# Altium PCB BB.PcbDoc (part 3 of 9)
Units mil, origin at the board's own origin, x right, y up, seen from the top; angles counter-clockwise.
Board outline 6860 x 3500 mil, 6 copper layers (Component Side, Ground Plane (GND), Inner Layer 1, Inner Layer 2, Power Plane (VCC), Solder Side), stack 51.068 mil thick; 496 components, 500 nets, 2194 pads, 1226 vias.
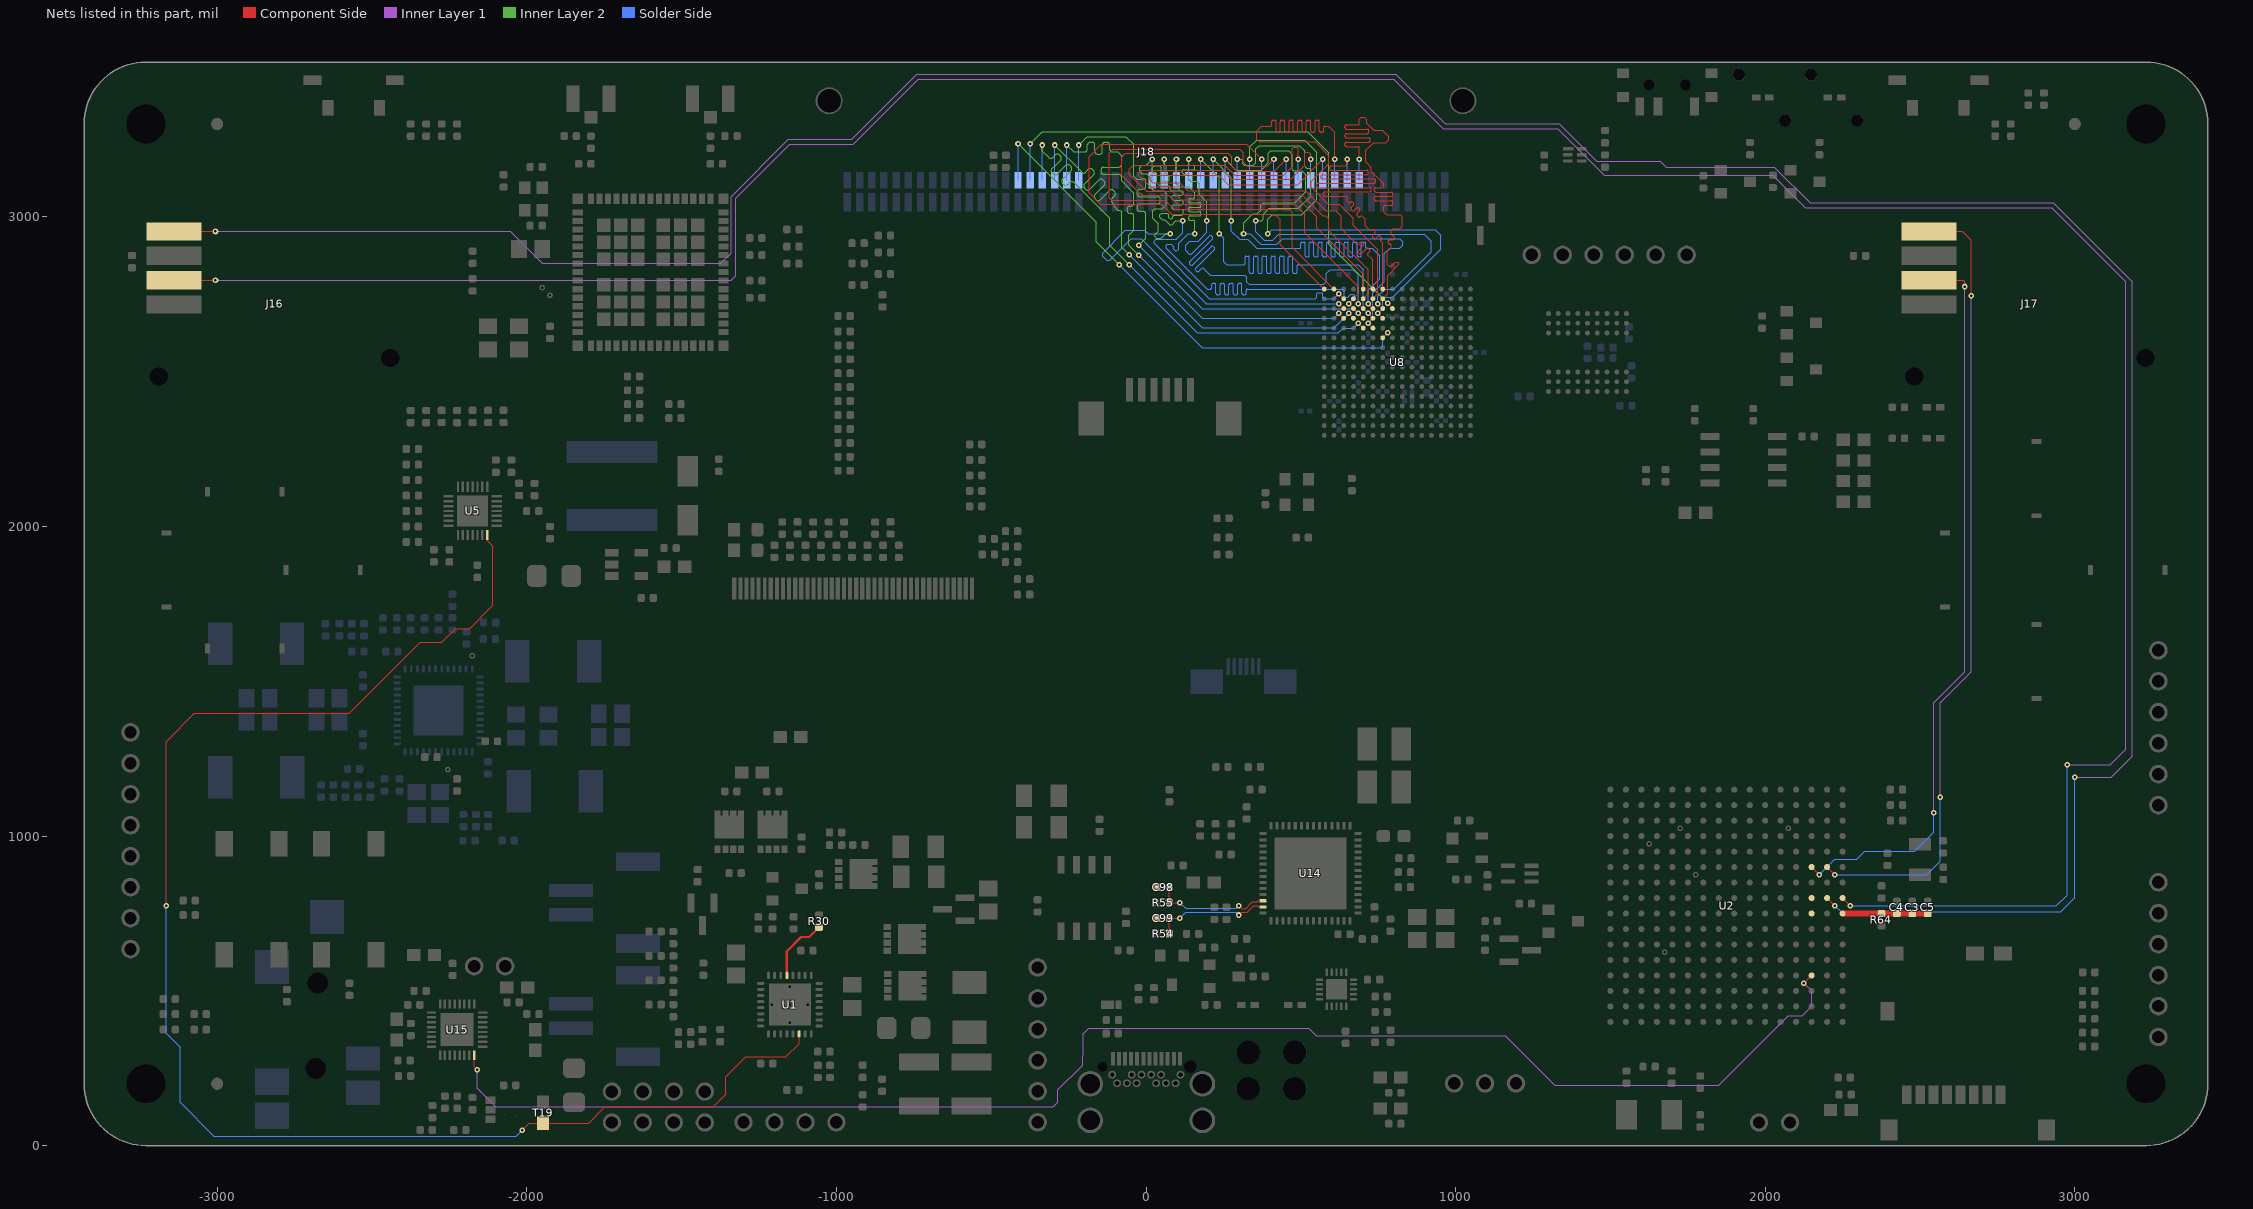
[diagram p7: the nets of this part, all layers, seen from the top]

## Part data (continued)
R6 R7 R8 R9 R10 R11 R12 R13 R14 R15 R16 R44 R52 R54 R55 R148 R200: "RES SMD 100K OHM 1% 1/16W 0402", Case=0402, Manufacturer=Yageo, Manufacturer Part Number=RC0402FR-07100KL, Operating Temperature="-55°C ~ 155°C", Package / Case="0402 (1005 Metric)", Power (Watts)=1/16W, Resistance (Ohms)=100k, Resistance In Ohms=100K, Supplier Part Number 1=311-100KLRCT-ND, Temperature Coefficient=±100ppm/°C, Tolerance=±1%, Category=Resistors, ComponentLink1Description=http://www.yageo.com/NewPortal/yageodocoutput?fileName=/pdf/R-Chip/PYu-RC_Group_51_RoHS_L_3.pdf, ComponentLink1URL=http://www.yageo.com/NewPortal/yageodocoutput?fileName=/pdf/R-Chip/PYu-RC_Group_51_RoHS_L_3.pdf, Composition="Thick Film", Features="Moisture Resistant", Height="0.016\" (0.40mm)", Number of Terminations=2, Packaging="Cut Tape (CT)", Pricing 1="1=0.1, 10=0.013, 25=0.0096, 100=0.0054, 250=0.00412, 500=0.00328, 1000=0.00242, 2500=0.0021, 5000=0.00173 (USD)", RoHS="RoHS Compliant", Size / Dimension="0.039\" L x 0.020\" W (1.00mm x 0.50mm)", Stock 1=4989982, Supplier 1=Digi-Key, Supplier Device Package=0402
R17: "RES SMD 39K OHM 1% 1/10W 0402", Case=0402, Manufacturer="Panasonic Electronic Components", Manufacturer Part Number=ERJ-2RKF3902X, Operating Temperature="-55°C ~ 155°C", Package / Case="0402 (1005 Metric)", Power (Watts)=1/16W, Resistance (Ohms)=39k, Resistance In Ohms=39K, Supplier Part Number 1=P39.0KLCT-ND, Temperature Coefficient=±100ppm/°C, Tolerance=±1%, Category=Resistors, ComponentLink1Description=http://industrial.panasonic.com/www-cgi/jvcr13pz.cgi?E+PZ+3+AOA0002+ERJ2RKF3902X+7+WW, ComponentLink1URL=http://industrial.panasonic.com/www-cgi/jvcr13pz.cgi?E+PZ+3+AOA0002+ERJ2RKF3902X+7+WW, Composition="Thick Film", Features="Automotive AEC-Q200", Height="0.016\" (0.40mm)", Number of Terminations=2, Packaging="Cut Tape (CT)", Pricing 1="1=0.1, 50=0.0196, 100=0.0149, 250=0.01104, 500=0.00816, 1000=0.00544, 5000=0.00383 (USD)", RoHS="RoHS Compliant", Size / Dimension="0.039\" L x 0.020\" W (1.00mm x 0.50mm)", Stock 1=304822, Supplier 1=Digi-Key, Supplier Device Package=0402
R18 R19 R26: "RES SMD 10M OHM 1% 1/16W 0402", Case=0402, Manufacturer=Yageo, Manufacturer Part Number=RC0402FR-0710ML, Operating Temperature="-55°C ~ 155°C", Package / Case="0402 (1005 Metric)", Power (Watts)=1/16W, Resistance (Ohms)=10M, Supplier Part Number 1=311-10.0MLRCT-ND, Temperature Coefficient=±100ppm/°C, Tolerance=±1%, Category=Resistors, ComponentLink1Description=http://www.yageo.com/NewPortal/yageodocoutput?fileName=/pdf/R-Chip/PYu-RC_Group_51_RoHS_L_4.pdf, ComponentLink1URL=http://www.yageo.com/NewPortal/yageodocoutput?fileName=/pdf/R-Chip/PYu-RC_Group_51_RoHS_L_4.pdf, Composition="Thick Film", Failure Rate=-, Features="Moisture Resistant", Height - Seated (Max)="0.016\" (0.40mm)", Number of Terminations=2, Packaging="Cut Tape (CT)", Part Status=Active, Pricing 1="1=0.1, 10=0.015, 25=0.0108, 100=0.006, 250=0.00456, 500=0.00364, 1000=0.00268, 2500=0.00233, 5000=0.00192 (USD)", Resistance In Ohms=10M, RoHS="RoHS Compliant", Size / Dimension="0.039\" L x 0.020\" W (1.00mm x 0.50mm)", Stock 1=285948, Supplier 1=Digi-Key, Supplier Device Package=0402
R20: "RES 10.0 OHM 1/16W 1% 0402 SMD", Case=0402, Manufacturer=Yageo, Manufacturer Part Number=RC0402FR-0710RL, Operating Temperature="-55°C ~ 155°C", Package / Case="0402 (1005 Metric)", Power (Watts)=1/16W, Resistance In Ohms=10.0, Supplier Part Number 1=311-10.0LRCT-ND, Temperature Coefficient=±200ppm/°C, Tolerance=±1%, Category=Resistors, ComponentLink1Description=http://www.yageo.com/documents/recent/PYu-RC_Group_51_RoHS_L_7.pdf, ComponentLink1URL=http://www.yageo.com/documents/recent/PYu-RC_Group_51_RoHS_L_7.pdf, Composition="Thick Film", Failure Rate=-, Features="Moisture Resistant", Height - Seated (Max)="0.016\" (0.40mm)", Packaging="Cut Tape (CT)", Part Status=Active, Pricing 1="1=0.1, 10=0.014, 100=0.0056, 1000=0.00253, 2500=0.0022, 5000=0.00181 (USD)", RoHS="RoHS Compliant", Size / Dimension="0.039\" L x 0.020\" W (1.00mm x 0.50mm)", Stock 1=1266033, Supplier 1=Digi-Key, Supplier Device Package=0402
R21 R25 R29 R31 R38 R39: "RES 100 OHM 1/16W 1% 0402 SMD", Case=0402, Manufacturer=Yageo, Manufacturer Part Number=RC0402FR-07100RL, Operating Temperature="-55°C ~ 155°C", Package / Case="0402 (1005 Metric)", Power (Watts)=1/16W, Resistance (Ohms)=100, Supplier Part Number 1=311-100LRCT-ND, Temperature Coefficient=±100ppm/°C, Tolerance=±1%, Category=Resistors, ComponentLink1Description=http://www.yageo.com/documents/recent/PYu-RC_Group_51_RoHS_L_2.pdf, ComponentLink1URL=http://www.yageo.com/documents/recent/PYu-RC_Group_51_RoHS_L_2.pdf, Composition="Thick Film", Features="Moisture Resistant", Height="0.016\" (0.40mm)", Number of Terminations=2, Packaging="Cut Tape (CT)", Pricing 1="1=0.1, 10=0.013, 25=0.0096, 100=0.0054, 250=0.00412, 500=0.00328, 1000=0.00242, 2500=0.0021, 5000=0.00173 (USD)", Resistance In Ohms=100, RoHS="RoHS Compliant", Size / Dimension="0.039\" L x 0.020\" W (1.00mm x 0.50mm)", Stock 1=2051645, Supplier 1=Digi-Key, Supplier Device Package=0402
R22 R23 R30: library part R_0402_5.11K, "RES 5.11K OHM 1/10W 1% 0402 SMD", Case=0402, Manufacturer="Panasonic - ECG", Manufacturer Part Number=ERJ-2RKF5111X, Package / Case="0402 (1005 Metric)", Power (Watts)=1/10W, Resistance (Ohms)=5.11K, Supplier Part Number 1=P5.11KLCT-ND, Temperature Coefficient=±100ppm/°C, Tolerance=±1%, Category=Resistors, ComponentLink1Description=http://industrial.panasonic.com/www-cgi/jvcr13pz.cgi?E+PZ+3+AOA0002+ERJ2RKF5111X+7+WW, ComponentLink1URL=http://industrial.panasonic.com/www-cgi/jvcr13pz.cgi?E+PZ+3+AOA0002+ERJ2RKF5111X+7+WW, Composition="Thick Film", Features=-, Height="0.014\" (0.35mm)", Number of Terminations=2, Packaging="Cut Tape (CT)", Pricing="1=0.06, 50=0.0242, 100=0.0184, 250=0.01364, 500=0.01008, 1000=0.00672, 5000=0.00473 (USD)", Resistance In Ohms=5.11K, RoHS="RoHS Compliant", Size / Dimension="0.039\" L x 0.020\" W (1.00mm x 0.50mm)", Stock 1=491807, Supplier 1=Digi-Key
R27 R75 R76 R129 R159 R160 R170 R189: "RES 100K OHM 1/16W 1% 0402 SMD", Case=0402, Manufacturer="Stackpole Electronics Inc", Manufacturer Part Number=RMCF0402FT100K, Package / Case="0402 (1005 Metric)", Power (Watts)=1/16W, Resistance (Ohms)=100k, Resistance In Ohms=100K, Supplier Part Number 1=RMCF0402FT100KCT-ND, Temperature Coefficient=±100ppm/°C, Tolerance=±1%, Category=Resistors, ComponentLink1Description=http://www.seielect.com/Catalog/SEI-RMCF_RMCP.pdf, ComponentLink1URL=http://www.seielect.com/Catalog/SEI-RMCF_RMCP.pdf, Composition="Thick Film", Features=-, Height="0.016\" (0.40mm)", Lead Style="Surface Mount (SMD - SMT)", Number of Terminations=2, Packaging="Cut Tape (CT)", Pricing="1=0.04, 10=0.025, 50=0.0138, 100=0.0105, 250=0.0078, 500=0.00576, 1000=0.00384, 2500=0.00324, 5000=0.0027 (USD)", RoHS="RoHS Compliant", Size / Dimension="0.039\" L x 0.020\" W (1.00mm x 0.50mm)", Stock 1=18746, Supplier 1=Digi-Key, Supplier Device Package=0402
R28: library part R_0402_1.00, "RES 1.00 OHM 1/16W 1% 0402 SMD", Case=0402, Manufacturer=Yageo, Manufacturer Part Number=RC0402FR-071RL, Operating Temperature="-55°C ~ 155°C", Package / Case="0402 (1005 Metric)", Power (Watts)=1/16W, Resistance (Ohms)=1, Resistance In Ohms=1.00, Supplier Part Number 1=311-1.00LRCT-ND, Temperature Coefficient=±200ppm/°C, Tolerance=±1%, Category=Resistors, ComponentLink1Description=http://www.yageo.com/NewPortal/yageodocoutput?fileName=/pdf/R-Chip/PYu-RC_Group_51_RoHS_L_3.pdf, ComponentLink1URL=http://www.yageo.com/NewPortal/yageodocoutput?fileName=/pdf/R-Chip/PYu-RC_Group_51_RoHS_L_3.pdf, Composition="Thick Film", Features="Moisture Resistant", Height="0.016\" (0.40mm)", Number of Terminations=2, Packaging="Cut Tape (CT)", Pricing 1="1=0.1, 10=0.02, 25=0.0144, 100=0.0082, 250=0.00624, 500=0.00498, 1000=0.00367, 2500=0.00319, 5000=0.00263 (USD)", RoHS="RoHS Compliant", Size / Dimension="0.039\" L x 0.020\" W (1.00mm x 0.50mm)", Stock 1=426521, Supplier 1=Digi-Key, Supplier Device Package=0402
R32: "RES SMD 10 OHM 1% 1/4W 1206", Case=1206, Manufacturer=Yageo, Manufacturer Part Number=RC1206FR-0710RL, Operating Temperature="-55°C ~ 155°C", Package / Case="1206 (3216 Metric)", Power (Watts)=1/4W, Resistance (Ohms)=10, Supplier Part Number 1=311-10.0FRCT-ND, Temperature Coefficient=±200ppm/°C, Tolerance=±1%, Category=Resistors, ComponentLink1Description=http://www.yageo.com/NewPortal/yageodocoutput?fileName=/pdf/R-Chip/PYu-RC_Group_51_RoHS_L_4.pdf, ComponentLink1URL=http://www.yageo.com/NewPortal/yageodocoutput?fileName=/pdf/R-Chip/PYu-RC_Group_51_RoHS_L_4.pdf, Composition="Thick Film", Failure Rate=-, Features="Moisture Resistant", Height - Seated (Max)="0.026\" (0.65mm)", Number of Terminations=2, Packaging="Cut Tape (CT)", Part Status=Active, Pricing 1="1=0.1, 10=0.032, 25=0.0232, 100=0.013, 250=0.00992, 500=0.00792, 1000=0.00583, 2500=0.00506 (USD)", Resistance In Ohms=10, RoHS="RoHS Compliant", Size / Dimension="0.122\" L x 0.063\" W (3.10mm x 1.60mm)", Stock 1=1422829, Supplier 1=Digi-Key, Supplier Device Package=1206
R33 R35 R62 R64 R116 R120 R123 R124 R125 R126 R127 R136 R137: library part R_0402_0.00, "RES 0.00 OHM 1/16W 1% 0402 SMD", Case=0402, Manufacturer=Yageo, Manufacturer Part Number=RC0402JR-070RL, Operating Temperature="-55°C ~ 155°C", Package / Case="0402 (1005 Metric)", Power (Watts)=1/16W, Resistance In Ohms=0.00, Supplier Part Number 1=311-0.0JRCT-ND, Temperature Coefficient=-, Tolerance=±1%, Category=Resistors, ComponentLink1Description=http://www.yageo.com/documents/recent/PYu-RC_Group_51_RoHS_L_7.pdf, ComponentLink1URL=http://www.yageo.com/documents/recent/PYu-RC_Group_51_RoHS_L_7.pdf, Composition="Thick Film", Failure Rate=-, Features="Moisture Resistant", Height - Seated (Max)="0.016\" (0.40mm)", Packaging="Cut Tape (CT)", Part Status=Active, Pricing 1="1=0.1, 10=0.01, 25=0.0068, 50=0.0052, 100=0.0038, 250=0.00288, 500=0.0023, 1000=0.0017, 5000=0.00122 (USD)", RoHS="RoHS Compliant", Size / Dimension="0.039\" L x 0.020\" W (1.00mm x 0.50mm)", Stock 1=14041464, Supplier 1=Digi-Key, Supplier Device Package=0402
R34: "RES SMD 0.005 OHM 1% 1W 1206", Case=1206, Manufacturer="Stackpole Electronics Inc.", Manufacturer Part Number=CSRF1206FT5L00, Operating Temperature="-55°C ~ 170°C", Package / Case="1206 (3216 Metric)", Power (Watts)=1/4W, Resistance (Ohms)=0.005, Supplier Part Number 1=CSRF1206FT5L00CT-ND, Temperature Coefficient=±100ppm/°C, Tolerance=±1%, Category=Resistors, ComponentLink1Description=https://www.seielect.com/Catalog/SEI-csrf.pdf, ComponentLink1URL=https://www.seielect.com/Catalog/SEI-csrf.pdf, Composition="Metal Foil", Failure Rate=-, Features="Automotive AEC-Q200, Current Sense, Moisture Resistant", Height - Seated (Max)="0.033\" (0.85mm)", Number of Terminations=2, Packaging="Cut Tape (CT)", Part Status=Active, Pricing 1="1=0.63, 10=0.468, 50=0.33, 100=0.2723, 250=0.23652, 500=0.1925, 1000=0.15268 (USD)", Resistance In Ohms=0.005, RoHS="RoHS Compliant", Size / Dimension="0.126\" L x 0.063\" W (3.20mm x 1.60mm)", Stock 1=42538, Supplier 1=Digi-Key, Supplier Device Package=1206
R36: library part R_0.010SENSE_LK20, "RES SMD 0.01 OHM 1% 2W 1224", Manufacturer=Ohmite, Manufacturer Part Number=LVK25R010FER, Operating Temperature="-40°C ~ 125°C", Package / Case="Wide 2412 (6231 Metric), 1224", Power (Watts)=2W, Resistance (Ohms)=0.01, Supplier Device Package=1224, Supplier Part Number 1=LVK25R010FERCT-ND, Temperature Coefficient=±100ppm/°C, Tolerance=±1%, Category=Resistors, ComponentLink1Description=http://www.ohmite.com/cat/res_lvk.pdf, ComponentLink1URL=http://www.ohmite.com/cat/res_lvk.pdf, Composition="Thick Film", Features="Current Sense, Moisture Resistant", Height="0.028\" (0.70mm)", Number of Terminations=4, Packaging="Cut Tape (CT)", Pricing 1="1=1.77, 10=1.571, 25=1.4564, 50=1.3706, 100=1.1994, 250=1.028, 500=0.85668 (USD)", RoHS="RoHS Compliant", Size / Dimension="0.126\" L x 0.252\" W (3.20mm x 6.40mm)", Stock 1=3676, Supplier 1=Digi-Key
R37: "RES SMD 330K OHM 1% 1/16W 0402", Case=0402, Manufacturer=Yageo, Manufacturer Part Number=RC0402FR-07330KL, Operating Temperature="-55°C ~ 155°C", Package / Case="0402 (1005 Metric)", Power (Watts)=1/16W, Resistance (Ohms)=330k, Supplier Part Number 1=311-330KLRCT-ND, Temperature Coefficient=±100ppm/°C, Tolerance=±1%, Category=Resistors, ComponentLink1Description=http://www.yageo.com/NewPortal/yageodocoutput?fileName=/pdf/R-Chip/PYu-RC_Group_51_RoHS_L_4.pdf, ComponentLink1URL=http://www.yageo.com/NewPortal/yageodocoutput?fileName=/pdf/R-Chip/PYu-RC_Group_51_RoHS_L_4.pdf, Composition="Thick Film", Failure Rate=-, Features="Moisture Resistant", Height - Seated (Max)="0.016\" (0.40mm)", Number of Terminations=2, Packaging="Cut Tape (CT)", Part Status=Active, Pricing 1="1=0.1, 10=0.013, 25=0.0096, 100=0.0054, 250=0.00412, 500=0.00328, 1000=0.00242, 2500=0.0021, 5000=0.00173 (USD)", Resistance In Ohms=330k, RoHS="RoHS Compliant", Size / Dimension="0.039\" L x 0.020\" W (1.00mm x 0.50mm)", Stock 1=135846, Supplier 1=Digi-Key, Supplier Device Package=0402
R40 R51 R53 R74 R77 R78 R108 R153 R169 R172 R185: library part R_0402_1.0K, "RES 1.00K OHM 1/16W 1% 0402 SMD", Case=0402, Manufacturer=Yageo, Manufacturer Part Number=RC0402FR-071KL, Package / Case="0402 (1005 Metric)", Power (Watts)=1/16W, Resistance (Ohms)=1K, Resistance In Ohms=1.00K, Supplier Part Number 1=311-1.00KLRCT-ND, Temperature Coefficient=±100ppm/°C, Tolerance=±1%, Category=Resistors, ComponentLink1Description=http://www.yageo.com/documents/recent/PYu-RC0402_51_RoHS_L_6.pdf, ComponentLink1URL=http://www.yageo.com/documents/recent/PYu-RC0402_51_RoHS_L_6.pdf, Composition="Thick Film", Features=-, Height="0.016\" (0.40mm)", Number of Terminations=2, Packaging="Cut Tape (CT)", Pricing="10=0.014, 100=0.0063, 500=0.00382, 1000=0.0027, 5000=0.00203 (USD)", RoHS="RoHS Compliant", Size / Dimension="0.039\" L x 0.020\" W (1.00mm x 0.50mm)", Stock 1=2103351, Supplier 1=Digi-Key
R41: "RES SMD 9.53K OHM 1% 1/16W 0402", Case=0402, Manufacturer=Yageo, Manufacturer Part Number=RC0402FR-079K53L, Operating Temperature="-55°C ~ 155°C", Package / Case="0402 (1005 Metric)", Power (Watts)=1/16W, Resistance (Ohms)=9.53k, Resistance In Ohms=9.53K, Supplier Part Number 1=311-9.53KLRCT-ND, Temperature Coefficient=±100ppm/°C, Tolerance=±1%, Category=Resistors, ComponentLink1Description=http://www.yageo.com/documents/recent/PYu-RC_Group_51_RoHS_L_04.pdf, ComponentLink1URL=http://www.yageo.com/documents/recent/PYu-RC_Group_51_RoHS_L_04.pdf, Composition="Thick Film", Features="Moisture Resistant", Height="0.016\" (0.40mm)", Number of Terminations=2, Packaging="Cut Tape (CT)", Part Status=Active, Pricing 1="1=0.1, 10=0.013, 25=0.0096, 100=0.0054, 250=0.00412, 500=0.00328, 1000=0.00242, 2500=0.0021, 5000=0.00173 (USD)", RoHS="RoHS Compliant", Size / Dimension="0.039\" L x 0.020\" W (1.00mm x 0.50mm)", Stock 1=234095, Supplier 1=Digi-Key, Supplier Device Package=0402
R42 R43 R138 R139 R147: library part R_0402_3.3K, "RES 3.30K OHM 1/10W 1% 0402 SM", Case=0402, Manufacturer="Panasonic - ECG", Manufacturer Part Number=ERJ-2RKF3301X, Package / Case="0402 (1005 Metric)", Power (Watts)=1/10W, Resistance In Ohms=3.3K, Supplier Part Number 1=P3.30KLCT-ND, Temperature Coefficient=±100ppm/°C, Tolerance=±1%, Category=Resistors, ComponentLink1Description=http://industrial.panasonic.com/www-cgi/jvcr13pz.cgi?E+PZ+3+AOA0002+ERJ2RKF3301X+7+WW, ComponentLink1URL=http://industrial.panasonic.com/www-cgi/jvcr13pz.cgi?E+PZ+3+AOA0002+ERJ2RKF3301X+7+WW, Composition="Thick Film", Features=-, Height="0.014\" (0.35mm)", Number of Terminations=2, Packaging="Cut Tape (CT)", Pricing="1=0.06, 50=0.0242, 100=0.0184, 250=0.01364, 500=0.01008, 1000=0.00672, 5000=0.00473 (USD)", RoHS="RoHS Compliant", Size / Dimension="0.039\" L x 0.020\" W (1.00mm x 0.50mm)", Stock 1=246274, Supplier 1=Digi-Key
R45: "RES 15.0K OHM 1/10W 1% 0402 SMD", Case=0402, Manufacturer="Panasonic - ECG", Manufacturer Part Number=ERJ-2RKF1502X, Package / Case="0402 (1005 Metric)", Power (Watts)=1/10, Resistance (Ohms)=15K, Supplier Part Number 1=P15.0KLCT-ND, Temperature Coefficient=±100ppm/°C, Tolerance=±1%, Category=Resistors, ComponentLink1Description=http://industrial.panasonic.com/www-cgi/jvcr13pz.cgi?E+PZ+3+AOA0002+ERJ2RKF1502X+7+WW, ComponentLink1URL=http://industrial.panasonic.com/www-cgi/jvcr13pz.cgi?E+PZ+3+AOA0002+ERJ2RKF1502X+7+WW, Composition="Thick Film", Features=-, Height="0.016\" (0.40mm)", Number of Terminations=2, Packaging="Cut Tape (CT)", Pricing="1=0.06, 50=0.0242, 100=0.0184, 250=0.01364, 500=0.01008, 1000=0.00672, 5000=0.00473 (USD)", Resistance In Ohms=15K, RoHS="RoHS Compliant", Size / Dimension="0.039\" L x 0.020\" W (1.00mm x 0.50mm)", Stock 1=695227, Supplier 1=Digi-Key
R46: "RES 499 OHM 1/10W 1% 0402 SMD", Case=0402, Manufacturer="Panasonic - ECG", Manufacturer Part Number=ERJ-2RKF4990X, Package / Case="0402 (1005 Metric)", Power (Watts)=0.1W, Resistance In Ohms=499, Supplier Part Number 1=P499LCT-ND, Temperature Coefficient=±100ppm/°C, Tolerance=±1%, Category=Resistors, ComponentLink1Description=http://industrial.panasonic.com/www-cgi/jvcr13pz.cgi?E+PZ+3+AOA0002+ERJ2RKF4990X+7+WW, ComponentLink1URL=http://industrial.panasonic.com/www-cgi/jvcr13pz.cgi?E+PZ+3+AOA0002+ERJ2RKF4990X+7+WW, Composition="Thick Film", Features=-, Height="0.014\" (0.35mm)", Number of Terminations=2, Packaging="Cut Tape (CT)", Pricing="1=0.06, 50=0.0242, 100=0.0184, 250=0.01364, 500=0.01008, 1000=0.00672, 5000=0.00473 (USD)", RoHS="RoHS Compliant", Size / Dimension="0.039\" L x 0.020\" W (1.00mm x 0.50mm)", Stock 1=1490570, Supplier 1=Digi-Key
R49 R50 R56 R57 R58 R59 R133 R134: "RES SMD 2.2K OHM 1% 1/10W 0402", Case=0402, Manufacturer="Panasonic Electronic Components", Manufacturer Part Number=ERJ-2RKF2201X, Operating Temperature="-55°C ~ 155°C", Package / Case="0402 (1005 Metric)", Power (Watts)=1/16W, Resistance (Ohms)=2.2k, Resistance In Ohms=2.2K, Supplier Part Number 1=P2.20KLCT-ND, Temperature Coefficient=±100ppm/°C, Tolerance=±1%, Category=Resistors, ComponentLink1Description=http://industrial.panasonic.com/www-cgi/jvcr13pz.cgi?E+PZ+3+AOA0002+ERJ2RKF2201X+7+WW, ComponentLink1URL=http://industrial.panasonic.com/www-cgi/jvcr13pz.cgi?E+PZ+3+AOA0002+ERJ2RKF2201X+7+WW, Composition="Thick Film", Features="Automotive AEC-Q200", Height="0.016\" (0.40mm)", Number of Terminations=2, Packaging="Cut Tape (CT)", Pricing 1="1=0.1, 50=0.015, 100=0.011, 250=0.0084, 500=0.00674, 1000=0.00496, 5000=0.00355 (USD)", RoHS="RoHS Compliant", Size / Dimension="0.039\" L x 0.020\" W (1.00mm x 0.50mm)", Stock 1=1256647, Supplier 1=Digi-Key, Supplier Device Package=0402
R61 R63 R154 R157 R158 R161 R162: library part R_0402_1.0M, "RES 1.00M OHM 1/16W 1% 0402 SMD", Case=0402, Manufacturer=Vishay/Dale, Manufacturer Part Number=CRCW04021M00FKED, Power (Watts)=1/16W, Resistance In Ohms=1.00M, Supplier Part Number 1=541-1.00MLDKR-ND, Temperature Coefficient=±100ppm/°C, Tolerance=±1%, Category=Resistors, ComponentLink1Description=http://www.vishay.com/doc?20035, ComponentLink1URL=http://www.vishay.com/doc?20035, Composition="Thick Film", Features=-, Lead Style="Surface Mount (SMD - SMT)", Packaging=Digi-Reel®, Pricing="10=0.083, 50=0.0444, 200=0.0255, 1000=0.0174 (USD)", RoHS="RoHS Compliant", Stock 1=232720, Supplier 1=Digi-Key
R66 R68 R69 R95 R96 R110 R111 R112 R113 R114 R115 R117 R118 R119 R121 R122 R167 R168 R181 R182 R183 R197 R201: library part R_0402_4.70K, "RES 4.70K OHM 1/16W 1% 0402 SMD", Case=0402, Manufacturer=Yageo, Manufacturer Part Number=RC0402FR-074K7L, Package / Case="0402 (1005 Metric)", Power (Watts)=1/16W, Resistance (Ohms)=4.7K, Resistance In Ohms=4.70K, Supplier Part Number 1=311-4.7KLRCT-ND, Temperature Coefficient=±100ppm/°C, Tolerance=±1%, Category=Resistors, ComponentLink1Description=http://www.yageo.com/documents/recent/PYu-RC0402_51_RoHS_L_6.pdf, ComponentLink1URL=http://www.yageo.com/documents/recent/PYu-RC0402_51_RoHS_L_6.pdf, Composition="Thick Film", Features=-, Height="0.016\" (0.40mm)", Number of Terminations=2, Packaging="Cut Tape (CT)", Pricing="10=0.014, 100=0.0063, 500=0.00382, 1000=0.0027, 5000=0.00203 (USD)", RoHS="RoHS Compliant", Size / Dimension="0.039\" L x 0.020\" W (1.00mm x 0.50mm)", Stock 1=3610, Supplier 1=Digi-Key
R67: library part R_0402_56.2k, "RES 56.2K OHM 1/16W 1% 0402 SMD", Case=0402, Manufacturer="Vishay Dale", Manufacturer Part Number=CRCW040256K2FKED, Package / Case="0402 (1005 Metric)", Power (Watts)=1/16W, Supplier Part Number 1=541-56.2KLCT-ND, Temperature Coefficient=±100ppm/°C, Tolerance=±1%, Category=Resistors, ComponentLink1Description=http://www.vishay.com/doc?20035, ComponentLink1URL=http://www.vishay.com/doc?20035, Composition="Thick Film", Features=-, Height="0.016\" (0.40mm)", Number of Terminations=2, Packaging="Cut Tape (CT)", Pricing="10=0.083, 50=0.0444, 200=0.0255, 1000=0.0174 (USD)", Resistance (Ohms)=56.2k, Resistance In Ohms=56.2k, RoHS="RoHS Compliant", Size / Dimension="0.039\" L x 0.020\" W (1.00mm x 0.50mm)", Stock 1=2237, Supplier 1=Digi-Key
R70 R71 R72 R73 R86 R87 R88 R89 R90 R91 R92 R93 R94 R128 R131 R132 R141 R142 R143 R144 R145 R146 R151 R152 R163 R173 R174 R175 R176 R177 R178 R179 R180: "RES 33.0 OHM 1/16W 1% 0402 SMD", Case=0402, Manufacturer=Yageo, Manufacturer Part Number=RC0402FR-0733RL, Package / Case="0402 (1005 Metric)", Power (Watts)=1/16W, Resistance (Ohms)=33, Resistance In Ohms=33.0, Supplier Part Number 1=311-33.0LRCT-ND, Temperature Coefficient=±100ppm/°C, Tolerance=±1%, Category=Resistors, ComponentLink1Description=http://www.yageo.com/documents/recent/PYu-RC0402_51_RoHS_L_6.pdf, ComponentLink1URL=http://www.yageo.com/documents/recent/PYu-RC0402_51_RoHS_L_6.pdf, Composition="Thick Film", Features=-, Height="0.014\" (0.35mm)", Number of Terminations=2, Packaging="Cut Tape (CT)", Pricing="10=0.014, 50=0.0104, 100=0.0079, 250=0.00584, 500=0.00432, 1000=0.00288 (USD)", RoHS="RoHS Compliant", Size / Dimension="0.039\" L x 0.020\" W (1.00mm x 0.50mm)", Stock 1=733920, Supplier 1=Digi-Key
R107: "RES SMD 4.99 OHM 1% 3/4W 1206", Case=1206, Case Code (Metric)=3216, Manufacturer="Vishay / Dale", Manufacturer Part Number=CRCW12064R99FKEAHP, Max Operating Temperature=155°C, Max Power Dissipation=500mW, Min Operating Temperature=-55°C, Power (Watts)=3/4W, Resistance=4.99R, Resistance In Ohms=4.99, Supplier Part Number 1=541-4.99UDKR-ND, Temperature Coefficient=100ppm/°C, Tolerance=±1%, Case/Package=1206, Case Code (Imperial)=1206, ComponentLink1Description=http://www.vishay.com/docs/20043/crcwhpe3.pdf, ComponentLink1URL=http://www.vishay.com/docs/20043/crcwhpe3.pdf, Composition="Thick Film", Contact Plating=Tin, Height=0.026inch, Lead Free="Lead Free", Length=0.122inch, Number of Terminations=2, Packaging="Tape and Reel", Pricing 1="1=0.49, 10=0.375, 100=0.1577, 1000=0.087, 2500=0.0816 (USD)", Stock 1=24650, Supplier 1=Digikey, Width=0.063inch